# Altium PCB lyaptsev_control_board.PcbDoc (continued)
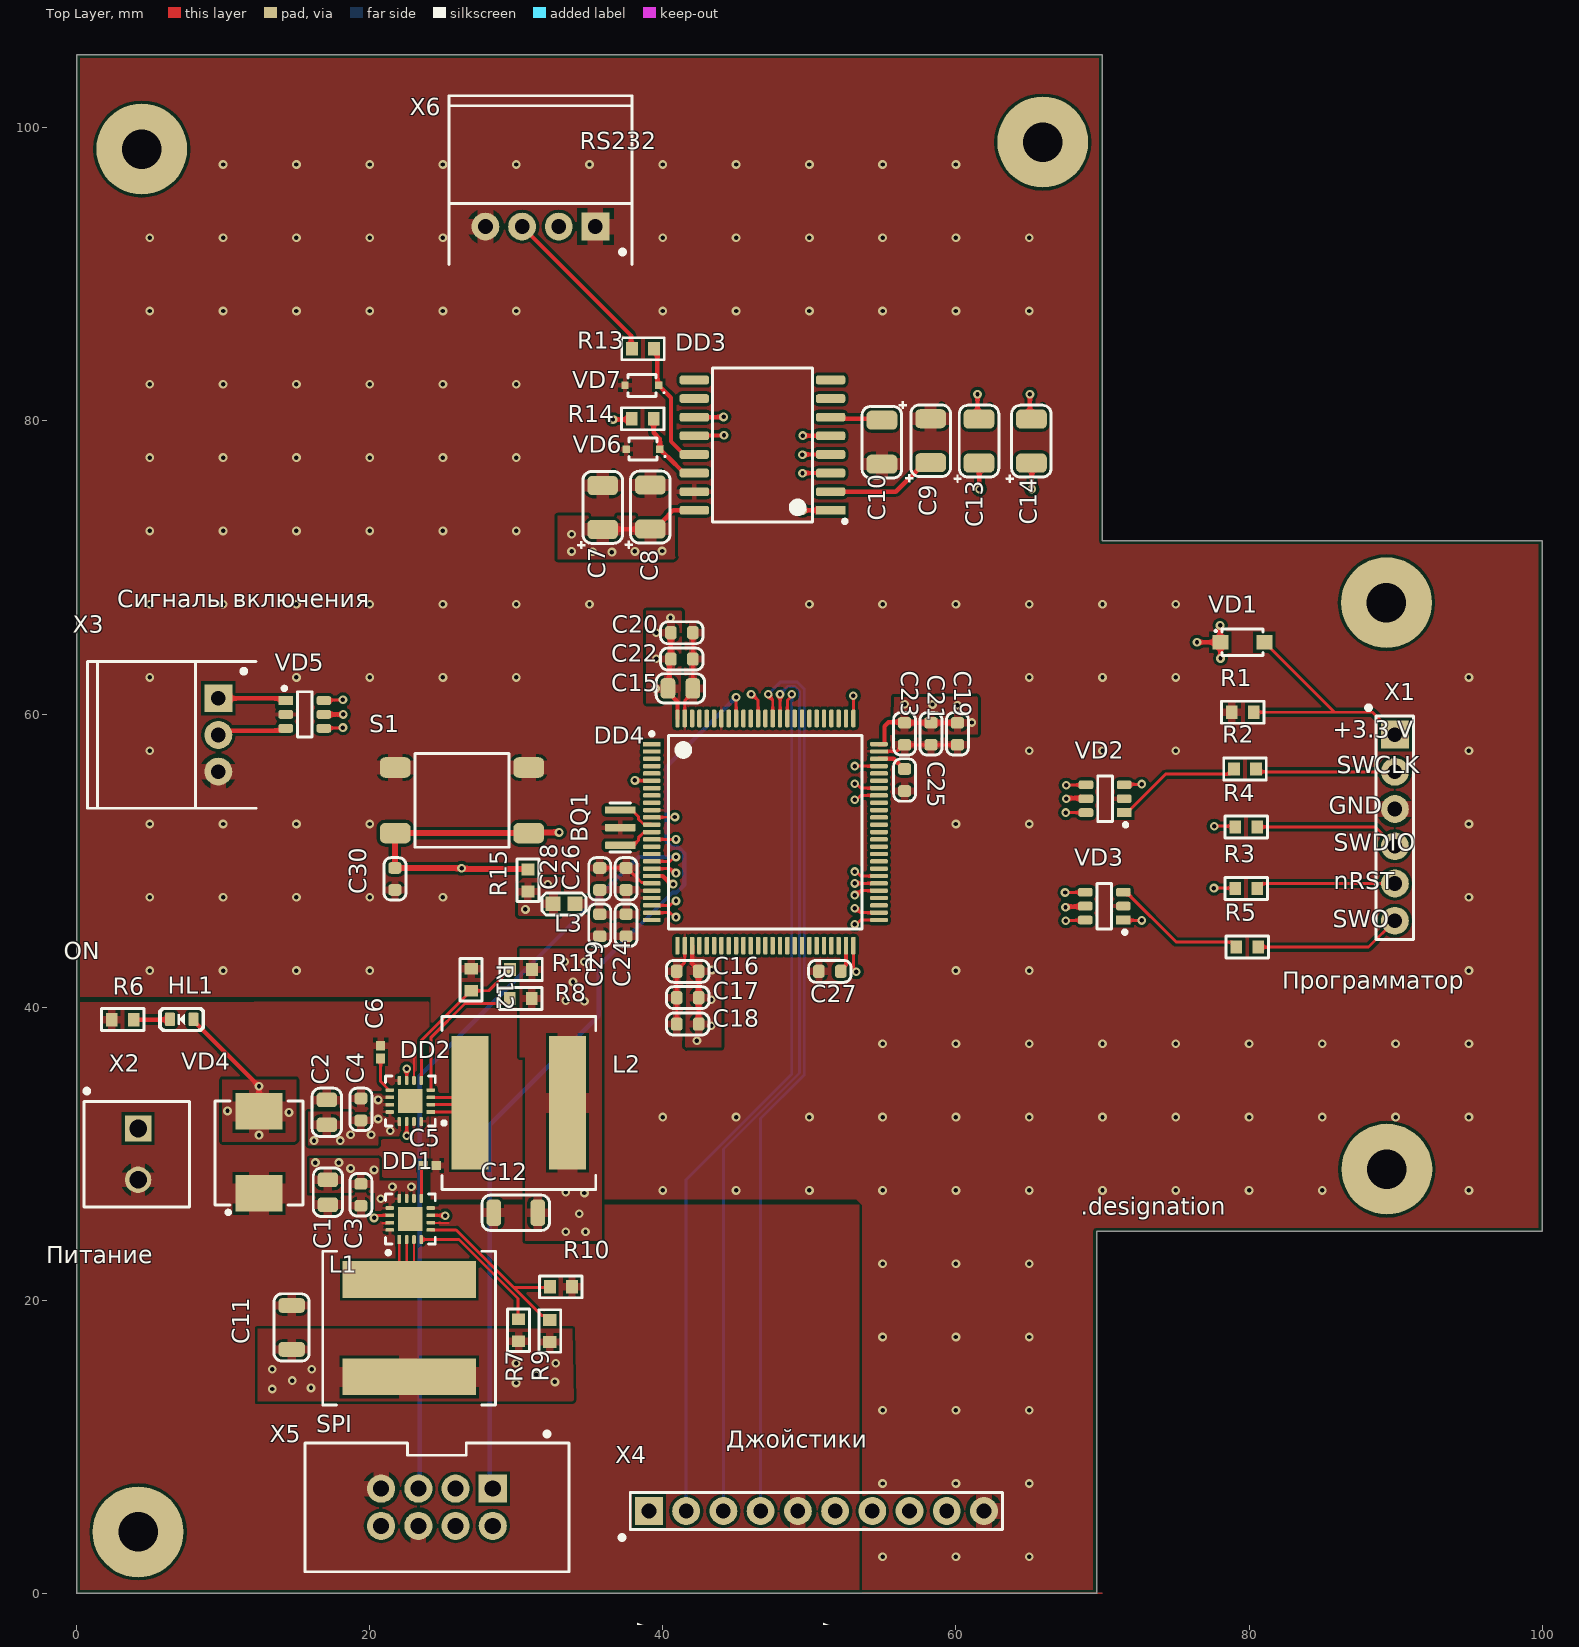
[diagram p0: Top Layer view]
## Part data (continued)
R1 R15: library part r0105, "=Описание", HelpURL=https://www.yageo.com/upload/media/product/productsearch/datasheet/rchip/PYu-RC_Group_51_RoHS_L_11.pdf, ID=r0105, Корпус=0603, Наименование=RC0603FR-0710KL, Номинал="10 к", Номинальное напряжение="75 В", Номинальный ток="1 А", Описание="Резистор чип 0603 10 кОм ±1 % 0,1 Вт", Отклонение="±1 %", Примечание="Ряд E24", Производитель="YAGEO Corp.", Рабочие температуры="от –55 °С до +155 °С", Фамилия=Самарин
R2 R3 R4 R5: library part r0034, "=Описание", HelpURL=https://www.yageo.com/upload/media/product/productsearch/datasheet/rchip/PYu-RC_Group_51_RoHS_L_11.pdf, ID=r0034, Корпус=0603, Наименование=RC0603FR-0722RL, Номинал=22, Номинальное напряжение="75 В", Номинальный ток="1 А", Описание="Резистор чип 0603 22 Ом ±1 % 0,1 Вт", Отклонение="±1 %", Примечание="Ряд E24", Производитель="YAGEO Corp.", Рабочие температуры="от –55 °С до +155 °С", Фамилия=Ларионов
R6: library part r0028, "=Описание", HelpURL=https://www.yageo.com/upload/media/product/productsearch/datasheet/rchip/PYu-RC_Group_51_RoHS_L_11.pdf, ID=r0028, Корпус=0603, Наименование=RC0603FR-07750RL, Номинал=750, Номинальное напряжение="75 В", Номинальный ток="1 А", Описание="Резистор чип 0603 750 Ом ±1 % 0,1 Вт", Отклонение="±1 %", Примечание="Ряд E24", Производитель="YAGEO Corp.", Рабочие температуры="от –55 °С до +155 °С", Фамилия=Паньков
R7 R8: library part r0141, "=Описание", HelpURL=https://www.yageo.com/upload/media/product/productsearch/datasheet/rchip/PYu-RC_Group_51_RoHS_L_11.pdf, ID=r0141, Корпус=0603, Наименование=RC0603FR-07100KL, Номинал="100 к", Номинальное напряжение="75 В", Номинальный ток="1 А", Описание="Резистор чип 0603 100 кОм ±1 % 0,1 Вт", Отклонение="±1 %", Примечание="Ряд E24", Производитель="YAGEO Corp.", Рабочие температуры="от –55 °С до +155 °С", Фамилия=Водорезов
R9: library part r0167, "=Описание", HelpURL=https://www.yageo.com/upload/media/product/productsearch/datasheet/rchip/PYu-RC_Group_51_RoHS_L_11.pdf, ID=r0167, Корпус=0603, Наименование=RC0603FR-07560KL, Номинал="560 к", Номинальное напряжение="75 В", Номинальный ток="1 А", Описание="Резистор чип 0603 560 кОм ±1 % 0,1 Вт", Отклонение="±1 %", Примечание="Ряд E24", Производитель="YAGEO Corp.", Рабочие температуры="от –55 °С до +155 °С", Фамилия=Паньков
R10 R12: library part r0152, "=Описание", HelpURL=https://www.yageo.com/upload/media/product/productsearch/datasheet/rchip/PYu-RC_Group_51_RoHS_L_11.pdf, ID=r0152, Корпус=0603, Наименование=RC0603FR-07180KL, Номинал="180 к", Номинальное напряжение="75 В", Номинальный ток="1 А", Описание="Резистор чип 0603 180 кОм ±1 % 0,1 Вт", Отклонение="±1 %", Примечание="Ряд E24", Производитель="YAGEO Corp.", Рабочие температуры="от –55 °С до +155 °С", Фамилия=Паньков
R11: library part r0172, "=Описание", HelpURL=https://www.yageo.com/upload/media/product/productsearch/datasheet/rchip/PYu-RC_Group_51_RoHS_L_11.pdf, ID=r0172, Корпус=0603, Наименование=RC0603FR-07910KL, Номинал="910 к", Номинальное напряжение="75 В", Номинальный ток="1 А", Описание="Резистор чип 0603 910 кОм ±1 % 0,1 Вт", Отклонение="±1 %", Примечание="Ряд E24", Производитель="YAGEO Corp.", Рабочие температуры="от –55 °С до +155 °С", Фамилия=Паньков
R13 R14: library part r0004, "=Описание", HelpURL=https://www.yageo.com/upload/media/product/productsearch/datasheet/rchip/PYu-RC_Group_51_RoHS_L_11.pdf, ID=r0004, Корпус=0603, Наименование=RC0603FR-0722RL, Номинал=22, Номинальное напряжение="75 В", Номинальный ток="1 А", Описание="Резистор чип 0603 22 Ом ±1 % 0,1 Вт", Отклонение="±1 %", Примечание="Ряд E24", Производитель="YAGEO Corp.", Рабочие температуры="от –55 °С до +155 °С", Фамилия=Ларионов
S1: library part s0001, "=Описание", HelpURL=https://www.te.com/usa-en/product-4-1437565-1.html, ID=s0001, Количество контактов=4, Корпус="6,00 x 6,00 x 4,98", Наименование=FSM4JSMA, Описание="Тактовая кнопка поверхностного монтажа", Производитель="TE Connectivity", Промывка=Запрещена, Рабочие температуры="от –35 °С до +85 °С", Сопротивление контакта="100 мОм", Ток нагрузки="50 мА @ 24 В", Фамилия=Паньков
VD1: library part vd0002, "=Описание", HelpURL=https://www.onsemi.com/products/discretes-drivers/diodes-rectifiers/schottky-diodes-schottky-rectifiers/mbr140sf, ID=vd0002, Корпус=SOD-123FL, Максимальное обратное напряжение="40 В", Максимальное прямое напряжение="0,88 В", Максимальный прямой ток="1 А", Наименование=MBR140SFT1G, Описание="Диод Шоттки 40 В 1 А", Производитель="ON Semiconductor", Рабочие температуры="от –55 °С до +125 °С", Фамилия=Паньков
VD2 VD3 VD5: library part vd0016, "=Описание", HelpURL=https://www.ti.com/product/TPD2S017, ID=vd0016, Корпус=SOT-23-6, Наименование=TPD2S017DBVR, Описание="Диодная сборка для подавления помех 5 В", Производитель="Texas Instruments Inc.", Фамилия=Паньков
VD4: library part vd0009, "=Описание", HelpURL=https://www.littelfuse.com/products/tvs-diodes/surface-mount/1_5smc.aspx, ID=vd0009, Корпус=DO-214AB, Наименование=1.5SMC62CA, Описание="Двунаправленная диодная сборка для подавления помех 53 В", Производитель="Littelfuse, Inc.", Фамилия=Ларионов
VD6 VD7: library part vd0004, "=Описание", HelpURL=https://www.littelfuse.com/products/tvs-diode-arrays/general-purpose-esd-protection/sdc/sd12c_01ftg.aspx, ID=vd0004, Корпус=SOD-323, Наименование=SD12C-01FTG, Описание="Двунаправленная диодная сборка для подавления помех 12 В", Производитель="Littelfuse, Inc.", Фамилия=Ларионов
X1: library part x0026, "=Описание", Contact_1=VDD, Contact_2=SWCLK, Contact_3=GND, Contact_4=SWDIO, Contact_5=nRST, Contact_6=SWO, HelpURL=http://en.connfly.group/product/xVkr=EusQssAN0gN=Aos=mU+UrVkR9kqEAN0gN9g+WqANB+A, ID=x0026, Наименование=DS1021-1x6SF11-B, Описание="PLS 6 pin 2,54 мм вилка прямой", Производитель="Connfly Electronic Co., Ltd.", Фамилия=Паньков
X2: library part x0008, "=Описание", Contact_1=+12V, Contact_2=GND, HelpURL=https://www.te.com/usa-en/product-1776275-2.html, ID=x0008, Наименование=1776275-2, Описание="Terminal Block 2 pin 3,5 мм", Производитель="TE Connectivity", Фамилия=Паньков
X3: library part x0039, "=Описание", Contact_1=nINT, Contact_2=nKILL, Contact_3=GND, HelpURL=http://en.connfly.group/product/xVkr=EusQssAN0gN=Aos=mU+UrVkR9kqEAN0gN0MUR+g+NB+A, ID=x0039, Наименование=DS1069-3MRW6XA, Описание="CWF 3 pin Type A 2,5 мм вилка угловой", Производитель="Connfly Electronic Co., Ltd.", Фамилия=Паньков
X4: library part x0035, "=Описание", Contact_1=+5V, Contact_2=A1, Contact_3=A2, Contact_4=D1, Contact_5=GND, Contact_6=+5V, Contact_7=A1, Contact_8=A2, Contact_9=D1, Contact_10=GND, HelpURL=http://en.connfly.group/product/xVkr=EusQssAN0gN=Aos=mU+UrVkR9kqEAN0gN0AUCUNB+A, ID=x0035, Наименование=DS1023-1x10SF11, Описание="PBS 10 pin 2,54 мм гнездо прямой", Производитель="Connfly Electronic Co., Ltd.", Фамилия=Паньков
X5: library part x0034, "=Описание", Contact_1=CE, Contact_2=NSS, Contact_3=SCK, Contact_4=MOSI, Contact_5=MISO, Contact_6=GND, Contact_7=GND, Contact_8=VOUT, HelpURL=http://en.connfly.group/product/xVkr=EusQssAN0gN=Aos=mU+UrVkR9kqEAN0gN9g+Upc+NB+A, ID=x0034, Наименование=DS1013-08SSIB1-B-0, Описание="Box Header 8 pin 2,54 мм вилка прямой", Производитель="Connfly Electronic Co., Ltd.", Фамилия=Самарин
X6: library part x0041, "=Описание", Contact_1=GND, Contact_2=TX, Contact_3=RX, Contact_4=GND, HelpURL=http://en.connfly.group/product/xVkr=EusQssAN0gN=Aos=mU+UrVkR9kqEAN0gN0MUR+g+NB+A, ID=x0041, Наименование=DS1069-4MRW6XA, Описание="CWF 4 pin Type A 2,5 мм вилка угловой", Производитель="Connfly Electronic Co., Ltd.", Фамилия=Паньков

## Free pads (board coordinates)
  round 6.2 hole 2.7: 2(4.2,4.2) 2(4.45,98.55) 2(65.925,99.025) 2(89.375,67.6) 2(89.4,28.95)

## Via types
v1: diameter 0.6, hole 0.3, Top Layer to Bottom Layer, tented both sides, 233 vias
v2: diameter 0.6, hole 0.3, Top Layer to Bottom Layer, 27 vias

## Nets (pads, with @x,y where several pads share a name; then routed paths per layer and width w, separated by ;. In a path a pad name is that pad's centre, name@x,y a point inside that pad or via, vN(x,y) a via of type N, cw(c..) or ccw(c..) an arc to the next point about the centre after c; other vN are vias at no path point)
"+5 В": C11.1 DD1.7 DD1.14 L1.2 R7.2 R9.2 X4.1 X4.6 X5.8 | length 2
  Top Layer w0.2: v1@20.425,25.8 DD1.14 ; DD1.7@24.195,25.78 DD1.7 v1@25.125,25.8 ; v1@25.145,25.78 v1@25.175,25.75
  other v1: 13.35,13.95 16,14.025 29.99,14.36 32.64,14.435 14.725,14.525 31.365,14.935 13.35,15.3 16.05,15.3 29.99,15.71 32.69,15.71 20.3,25.625 25.155,25.77
CONN_RS232_RXD: DD3.13 R13.2 VD7.1 | length 8.8
  Top Layer w0.3: R13.2 39.625,84.7 39.625,82.525 VD7.1 40.563,81.588 40.563,78.603 41.45,77.715 DD3.13
CONN_RS232_TXD: DD3.14 R14.2 VD6.1 | length 5.3
  Top Layer w0.3: R14.2 39.375,79.2 39.8,78.775 VD6.1 40.324,77.551 40.344,77.551 41.45,76.445 DD3.14
DC_nINT: VD5.1 X3.1 | length 4.7
  Top Layer w0.3: X3.1 14.125,61.075 VD5.1
DC_nKILL: VD5.3 X3.2 | length 4.8
  Top Layer w0.3: X3.2 9.975,58.875 14.125,58.875 VD5.3
GND: BQ1.2 C1.2 C2.2 C3.2 C4.2 C5.1 C6.1 C7.2 C8.2 C9.2 C10.2 C11.2 C12.2 C15.2 C16.2 C17.2 C18.2 C19.2 C20.2 C21.2 C22.2 C23.2 C24.2 C25.2 C26.2 C27.2 C28.2 C29.2 C30.2 DD1.6 DD1.8 DD1.15 DD1.16 DD2.6 DD2.8 DD2.15 DD2.16 DD3.15 DD4.10 DD4.20 DD4.27 DD4.74 DD4.94 DD4.99 R1.1 R6.1 R10.2 R12.2 S1.2 VD2.2 VD3.2 VD4.1 VD5.2 VD6.2 VD7.2 X1.3 X2.2 X3.3 X4.5 X4.10 X5.6 X5.7 X6.1 X6.4 | length 24.5
  Top Layer w0.15: 20.87,25.24 20.885,25.255 21.33,25.255 DD1.15 ; DD2.6 23.025,36.525 23.1,36.6 ; DD1.6 24.205,25.27 25.362,25.27
  Top Layer w0.2: C28.2 C26.2 37.55,49.5 38.55,48.5 39.2,48.5 DD4.20 ; C18.2 C17.2 C16.2 40.95,42.507 41.5,43.057 DD4.27 ; DD4.99 41.5,60.919 42.05,61.469 C15.2 C22.2 C20.2 ; DD4.74 55.946,57.45 56.396,57.9 C23.2 C21.2 C19.2
  other v1: 55,2.5 60,2.5 65,2.5 55,7.5 60,7.5 65,7.5 55,12.5 60,12.5 65,12.5 55,17.5 60,17.5 65,17.5 55,22.5 60,22.5 65,22.5 40,27.5 45,27.5 50,27.5 55,27.5 60,27.5 65,27.5 70,27.5 75,27.5 80,27.5 85,27.5 95,27.5 40,32.5 45,32.5 50,32.5 55,32.5 60,32.5 65,32.5 70,32.5 75,32.5 80,32.5 85,32.5 90,32.5 95,32.5 55,37.5 60,37.5 65,37.5 70,37.5 75,37.5 80,37.5 85,37.5 90,37.5 95,37.5 5,42.5 10,42.5 15,42.5 20,42.5 60,42.5 65,42.5 95,42.5 5,47.5 10,47.5 15,47.5 20,47.5 25,47.5 95,47.5 5,52.5 10,52.5 15,52.5 20,52.5 60,52.5 65,52.5 95,52.5 5,57.5 65,57.5 70,57.5 75,57.5 95,57.5 5,62.5 15,62.5 20,62.5 25,62.5 30,62.5 65,62.5 70,62.5 75,62.5 95,62.5 5,67.5 10,67.5 15,67.5 20,67.5 25,67.5 30,67.5 35,67.5 50,67.5 55,67.5 60,67.5 65,67.5 70,67.5 75,67.5 5,72.5 10,72.5 15,72.5 20,72.5 25,72.5 30,72.5 5,77.5 10,77.5 15,77.5 20,77.5 25,77.5 30,77.5 5,82.5 10,82.5 15,82.5 20,82.5 25,82.5 30,82.5 5,87.5 10,87.5 15,87.5 20,87.5 25,87.5 30,87.5 40,87.5 45,87.5 50,87.5 55,87.5 60,87.5 65,87.5 5,92.5 10,92.5 15,92.5 20,92.5 25,92.5 40,92.5 45,92.5 50,92.5 55,92.5 60,92.5 65,92.5 10,97.5 15,97.5 20,97.5 25,97.5 30,97.5 35,97.5 40,97.5 45,97.5 50,97.5 55,97.5 60,97.5
MCU_GPIO_SPI: DD4.92 X5.1 | length 63.9
  Top Layer w0.2: DD4.92 v1(45,61.15)
  Bottom Layer w0.3: X5.1 28.2,7.35 28.2,31.975 35.637,39.412 35.637,42.8 40.662,47.825 40.938,47.825 41.475,48.362 41.475,50.488 41.088,50.875 40.662,50.875 40.25,51.287 40.25,56.4 v1(45,61.15)
MCU_J1_A1: DD4.85 X4.2 | length 60.4
  Top Layer w0.2: DD4.85 48.5,60.942 v1@48.8,61.242
  Bottom Layer w0.2: X4.2 41.595,28.245 48.8,35.45 v1(48.8,61.35)
MCU_J1_A2: DD4.86 X4.3 | length 61.4
  Top Layer w0.2: DD4.86 v1(48,61.35)
  Bottom Layer w0.2: X4.3 44.135,30.326 49.325,35.516 49.325,61.567 49.017,61.875 48.525,61.875 v1(48,61.35)
MCU_J1_D1: DD4.87 X4.4 | length 62
  Top Layer w0.2: v1@47.2,61.242 47.5,60.942 DD4.87
  Bottom Layer w0.2: X4.4 46.675,32.406 49.65,35.381 49.65,61.702 49.152,62.2 48.05,62.2 v1(47.2,61.35)
MCU_J2_A1: DD4.55 X4.7 | length 46
  Top Layer w0.2: v1@53.208,47.65 53.508,47.95 DD4.55
  Signal Layer 1 w0.2: v1(53.1,47.65) 56.51,44.24 56.51,7.84 X4.7
MCU_J2_A2: DD4.56 X4.8 | length 46
  Top Layer w0.2: v1(53.1,48.45) DD4.56
  Signal Layer 1 w0.2: v1(53.1,48.45) 56.835,44.715 X4.8
MCU_J2_D1: DD4.57 X4.9 | length 47.9
  Top Layer w0.2: v1@53.208,49.25 53.508,48.95 DD4.57
  Signal Layer 1 w0.2: v1(53.1,49.25) 57.16,45.19 57.16,7.84 X4.9
MCU_nINT: DD4.23 VD5.6 | length 32
  Top Layer w0.2: VD5.6 16.9,60.95 18.15,60.95 v1(18.175,60.975) ; DD4.23 40.492,46.95 v1@40.792,47.25
  Signal Layer 1 w0.2: v1(18.175,60.975) 32.6,46.55 40.2,46.55 v1(40.9,47.25)
MCU_nKILL: DD4.24 VD5.4 | length 31.1
  Top Layer w0.2: VD5.4 16.9,59.05 18.15,59.05 v1(18.175,59.075) ; DD4.24 40.492,46.45 v1@40.792,46.15
  Signal Layer 1 w0.2: v1(18.175,59.075) 19.615,59.075 32.54,46.15 v1(40.9,46.15)
MCU_nRST: C30.1 DD4.14 R15.1 S1.1 VD3.6 | length 62.8
  Top Layer w0.2: DD4.14 v1(40.9,51.45) ; v2(67.5,45.9) 67.525,45.925 68.8,45.925 VD3.6
  Top Layer w0.4: v1@26.25,49.5 26.263,49.487 21.738,49.487 C30.1 21.725,51.85 21.75,51.875 S1.1@30.75,51.875 ; v1(26.275,49.475) 26.313,49.437 R15.1@30.763,49.437 ; R15.1@30.75,49.45 R15.1@30.763,49.437 ; R15.1 R15.1@30.763,49.437 ; S1.1@30.8,51.825 30.85,51.875 30.9,51.925 v2(32.925,51.925)
  Signal Layer 1 w0.2: v1(40.9,51.45) 51.642,51.45 57.192,45.9 v2(67.5,45.9)
  Signal Layer 1 w0.4: v2(32.925,51.925) 40.371,51.925 40.846,51.45 v1(40.9,51.45)
MCU_SPI1_MISO: DD4.17 X5.5 | length 53.5
  Top Layer w0.2: DD4.17 40.492,49.95 v1@40.792,50.25
  Bottom Layer w0.3: X5.5 23.425,7.255 23.425,35.325 38.35,50.25 v1(40.9,50.25)
MCU_SPI1_MOSI: DD4.18 X5.4 | length 53.9
  Top Layer w0.2: DD4.18 40.492,49.45 v1@40.792,49.15
  Signal Layer 1 w0.3: X5.4 25.35,5.12 25.35,5.913 24.625,6.638 24.625,7.662 25.35,8.387 25.35,24.201 41.475,40.326 41.475,48.575 v1(40.9,49.15)
MCU_SPI1_NSS: DD4.51 X5.2 | length 59.2
  Top Layer w0.2: v1@53.208,45.65 53.508,45.95 DD4.51
  Signal Layer 1 w0.3: X5.2 27.165,5.845 27.165,7.592 26.285,8.472 26.285,23.934 42.325,39.974 42.325,42.499 45.476,45.65 v1(53.1,45.65)
MCU_SPI1_SCK: DD4.52 X5.3 | length 56.7
  Top Layer w0.2: v1@53.208,46.75 53.508,46.45 DD4.52
  Signal Layer 1 w0.3: X5.3 25.86,24.11 41.9,40.15 41.9,42.675 45.3,46.075 52.425,46.075 v1(53.1,46.75)
MCU_SWCLK: DD4.76 VD2.6 | length 22.7
  Top Layer w0.2: DD4.76 v1(53,61.25) ; v2(67.5,53.275) VD2.6
  Signal Layer 1 w0.2: v1(53,61.25) 57.475,56.775 66.642,56.775 68.05,55.367 68.05,53.825 v2(67.5,53.275)
MCU_SWDIO: DD4.72 VD2.4 | length 18
  Top Layer w0.2: v1(53.1,56.45) DD4.72 ; v2(67.525,55.15) 67.538,55.162 68.863,55.162 VD2.4
  Signal Layer 1 w0.2: v1(53.1,56.45) 66.225,56.45 v2(67.525,55.15)
MCU_SWO: DD4.89 VD3.4 | length 30.6
  Top Layer w0.2: v1@46.2,61.242 46.5,60.942 DD4.89 ; v2(67.45,47.825) 67.463,47.837 68.813,47.837 VD3.4
  Signal Layer 1 w0.2: v1(46.027,61.353) 46.027,60.48 58.683,47.825 v2(67.45,47.825)
MCU_USART1_RX: DD3.12 DD4.69 | length 31.5
  Top Layer w0.2: v1@53.208,55.25 53.508,54.95 DD4.69
  Top Layer w0.3: DD3.12 42.17,79.005 44.155,79.005 v2(44.175,79.025)
  Signal Layer 1 w0.3: v2(44.175,79.025) 44.175,64.018 46.602,61.591 46.602,61.135 52.429,55.307 53.043,55.307 v1(53.1,55.25)
MCU_USART1_TX: DD3.11 DD4.68 | length 34.4
  Top Layer w0.2: v1(53.1,54.15) 53.208,54.15 53.508,54.45 DD4.68
  Top Layer w0.3: DD3.11 42.16,80.265 44.14,80.265 v2(44.15,80.275)
  Signal Layer 1 w0.2: v2(44.15,80.275) 44.7,79.725 44.7,66.5 49.325,61.875 49.325,59.15 52.55,55.925 53.167,55.925 53.625,55.467 53.625,54.675 v1(53.1,54.15)
NetBQ1_1: BQ1.1 DD4.12 | length 2.7
  Top Layer w0.2: BQ1.1 37.9,53.45 38.333,53.017 38.333,52.843 38.676,52.5 39.2,52.5 DD4.12
NetBQ1_3: BQ1.3 DD4.13 | length 1.3
  Top Layer w0.2: BQ1.3@37.9,50.95 38.333,51.383 38.333,51.557 DD4.13@38.676,51.9
NetC5_2: C5.2 DD1.9 | length 2.3
  Top Layer w0.2: DD1.9 23.525,29.065 C5.2
NetC6_2: C6.2 DD2.9 | length 2.4
  Top Layer w0.2: C6.2 20.75,34.925 DD2.9@21.35,34.325
NetC9_1: C9.1 DD3.2 | length 7.6
  Top Layer w0.3: DD3.2 55.9,75.175 57.875,77.15 C9.1
NetC10_1: C10.1 DD3.6 | length 3.6
  Top Layer w0.3: DD3.6 51.553,80.152 54.848,80.152 C10.1
NetC13_1: C13.1 DD3.4 | length 16.8
  Top Layer w0.3: v2(49.525,77.7) 49.533,77.708 51.443,77.708 DD3.4 ; C13.1 61.6,77.1 v2(61.6,75.35)
  Signal Layer 1 w0.3: v2(49.525,77.7) 59.25,77.7 v2(61.6,75.35)
NetC13_2: C13.2 DD3.5 | length 16.7
  Top Layer w0.3: v2(49.55,79) 49.558,78.992 51.443,78.992 DD3.5 ; v2(61.475,81.825) 61.475,80.225 C13.2
  Signal Layer 1 w0.3: v2(49.55,79) 58.65,79 v2(61.475,81.825)
NetC14_1: C14.1 DD3.1 | length 19.9
  Top Layer w0.3: v2@49.54,73.905 DD3.1 ; v2(65.175,75.35) C14.1@65.175,77.1
  Signal Layer 1 w0.3: v2(49.533,73.898) 60.961,73.898 62.413,75.35 v2(65.175,75.35)
NetC14_2: C14.2 DD3.3 | length 25.4
  Top Layer w0.3: v2@49.54,76.445 DD3.3 ; C14.2@65.05,80.225 v2(65.05,81.825)
  Signal Layer 1 w0.3: v2(49.533,76.438) 48.724,77.246 48.724,80.774 50.35,82.4 62.815,82.4 63.39,81.825 v2(65.05,81.825)
NetC24_1: C24.1 C26.1 C28.1 C29.1 DD4.21 DD4.22 L3.1 | length 0.1
  Top Layer w0.3: C24.1 C24.1@37.55,46.35 ; C26.1 C26.1@37.55,47.95
NetC25_1: C25.1 DD4.73 | length 2
  Top Layer w0.3: DD4.73 55.75,56.95 56.45,56.25 C25.1
NetC27_1: C27.1 DD4.49 | length 1.9
  Top Layer w0.3: C27.1 52.15,42.527 52.5,42.877 DD4.49
NetDD1_1: DD1.1 DD1.2 DD1.3 L1.1 | length 8.4
  Top Layer w0.15: DD1.1 22.025,22.1 L1.1@22.525,21.6 ; DD1.2 L1.1@22.525,21.6 ; DD1.3 23.025,21.75 L1.1 L1.1@22.525,21.6
NetDD1_4: DD1.4 R7.1 | length 9.7
  Top Layer w0.2: DD1.4 26.093,24.15 30.115,20.128 30.115,18.71 R7.1
NetDD1_5: DD1.5 R9.1 R10.1 | length 13.1
  Top Layer w0.2: DD1.5 25.903,24.8 31.743,18.96 31.94,18.96 32.24,18.66 R9.1 ; 29.85,20.862 32.237,20.862 R10.1
NetDD2_1: DD2.1 DD2.2 DD2.3 L2.1 | length 8.3
  Top Layer w0.2: DD2.1 26.225,32.85 26.725,33.35 DD2.2 ; DD2.3 26.475,33.85 L2.1
  Top Layer w1: L2.1@26.725,33.35 L2.1
NetDD2_4: DD2.4 R8.1 | length 10.1
  Top Layer w0.2: DD2.4 24.175,37.915 26.51,40.25 29.25,40.25 29.55,40.55 R8.1
NetDD2_5: DD2.5 R11.2 R12.1 | length 10.8
  Top Layer w0.2: DD2.5 23.525,37.725 26.575,40.775 26.575,40.825 26.875,41.125 R12.1 28.125,41.125 29.225,42.225 29.275,42.225 29.575,42.525 R11.2
NetHL1_1: HL1.1 R6.2 | length 2.5
  Top Layer w0.3: R6.2 HL1.1@6.35,39.15
  Top Layer w0.4: HL1.1@6.35,39.15 HL1.1
NetR1_2: R1.2 VD1.2 X1.1 | length 17
  Top Layer w0.2: R1.2 85.825,60.125 ; VD1.2 85.825,60.125 ; X1.1 88.425,60.125 85.825,60.125
NetR2_1: R2.1 X1.2 | length 9.6
  Top Layer w0.2: R2.1 80.665,56.06 X1.2
NetR2_2: R2.2 VD2.1 | length 8.8
  Top Layer w0.2: VD2.1 71.675,53.275 74.3,55.9 78.675,55.9 78.975,56.2 R2.2
NetR3_1: R3.1 X1.5 | length 9.6
  Top Layer w0.2: R3.1 80.55,48.14 80.85,48.44 X1.5
NetR3_2: R3.2 VD3.1 | length 8.6
  Top Layer w0.2: VD3.1 71.45,45.925 v2(72.675,45.925) ; v2(77.6,48.125) 79.025,48.125 R3.2
  Signal Layer 1 w0.2: v2(72.675,45.925) 75.4,45.925 v2(77.6,48.125)
NetR4_1: R4.1 X1.4 | length 9.9
  Top Layer w0.2: R4.1 88.63,52.3 X1.4
NetR4_2: R4.2 VD2.3 | length 8.8
  Top Layer w0.2: VD2.3 71.5,55.2 72.65,55.2 v2(72.675,55.225) ; v2(77.625,52.35) 79,52.35 R4.2
  Signal Layer 1 w0.2: v2(72.675,55.225) 75.55,52.35 v2(77.625,52.35)
NetR5_1: R5.1 X1.6 | length 10.1
  Top Layer w0.2: R5.1 88.15,44.1 X1.6
NetR5_2: R5.2 VD3.3 | length 9.3
  Top Layer w0.2: VD3.3 71.625,47.85 75.025,44.45 78.825,44.45 79.125,44.15 R5.2
NetR13_1: R13.1 X6.3 | length 11.4
  Top Layer w0.3: X6.3 37.836,85.825 37.836,84.989 R13.1
NetR14_1: R14.1 X6.2 | length 16
  Top Layer w0.3: v2(36.6,80.1) 37.825,80.1 R14.1
  Signal Layer 1 w0.3: X6.2 36.6,89.561 v2(36.6,80.1)
VDD: C7.1 C8.1 C12.1 C15.1 C16.1 C17.1 C18.1 C19.1 C20.1 C21.1 C22.1 C23.1 DD2.7 DD2.14 DD3.16 DD4.6 DD4.11 DD4.19 DD4.28 DD4.50 DD4.75 DD4.100 L2.2 L3.2 R8.2 R11.1 R15.2 VD1.1 VD2.5 VD3.5 VD5.5 | length 41.2
  Top Layer w0.2: v1(22.525,31.225) DD2.14 ; DD2.7 v1(22.525,35.8) ; v1(38.1,55.475) 38.113,55.463 39.238,55.463 DD4.6 ; DD4.11 39.263,52.963 40.813,52.963 v1(40.825,52.975) ; DD4.50 53,42.733 53.2,42.533 v1(53.2,42.425)
  Top Layer w0.3: VD5.5 v2(18.2,59.975) ; C7.1 35.913,72.613 39.138,72.613 C8.1 39.455,72.625 40.366,73.536 40.366,73.571 40.7,73.905 DD3.16 ; DD4.19 40,48.95 40.49,48.46 40.645,48.46 v2(40.702,48.402) ; C20.1 C22.1 40.45,63.65 40.45,61.85 C15.1 40.35,61.496 41,60.846 DD4.100 ; DD4.28 42,42.977 42.45,42.527 C16.1 C17.1 C18.1 ; DD4.75 55.125,57.95 55.125,59.175 55.4,59.45 56.45,59.45 C23.1 C21.1 C19.1 ; v2(67.475,46.825) 67.513,46.862 68.788,46.862 VD3.5 ; v2(67.525,54.225) 67.563,54.263 VD2.5@68.838,54.263 ; v2(76.45,64.9) VD1.1 ; v2(78.025,66.05) 78.025,64.925 VD1.1 ; v2(78.05,63.8) VD1.1
  other v1: 33.375,24.675 34.725,24.675 34.302,25.901 34.65,27.325 33.375,27.375 42.325,37.714 43.3,38.739 34.65,40.4 33.375,40.45 43.3,40.514 33.875,41.725 43.35,42.539 33.3,43.1 34.65,43.1 30.625,46.675 32.156,48.394 61.075,59.425 60.1,60.6 58.4,60.65 56.5,60.675 39.5,61.75 39.55,63.775 39.55,65.55 40.525,66.575 36.525,71.05 35.2,71.075 33.775,71.1 38.1,71.1 39.95,71.125 33.775,72.275
VIN: C1.1 C2.1 C3.1 C4.1 DD1.10 DD1.11 DD1.12 DD1.13 DD2.10 DD2.11 DD2.12 DD2.13 HL1.2 VD4.2 X2.1 | length 8.1
  Top Layer w0.2: HL1.2@7.975,39.075 HL1.2
  Top Layer w0.3: HL1.2@7.975,39.075 v1(12.45,34.6) VD4.2
  other v1: 20.75,26.925 21.55,27.75 22.85,27.75 20.3,28.9 18.7,29 16.3,29.4 17.9,29.4 16.2,30.9 18,30.9 12.45,31.275 18.7,31.3 20.1,31.3 21.4,31.575 20.575,32.375 14.5,32.825 10.3,32.925 20.575,33.675
pads on no net: DD1.0 DD2.0 DD3.7 DD3.8 DD3.9 DD3.10 DD4.1 DD4.2 DD4.3 DD4.4 DD4.5 DD4.7 DD4.8 DD4.9 DD4.15 DD4.16 DD4.25 DD4.26 DD4.29 DD4.30 DD4.31 DD4.32 DD4.33 DD4.34 DD4.35 DD4.36 DD4.37 DD4.38 DD4.39 DD4.40 DD4.41 DD4.42 DD4.43 DD4.44 DD4.45 DD4.46 DD4.47 DD4.48 DD4.53 DD4.54 DD4.58 DD4.59 DD4.60 DD4.61 DD4.62 DD4.63 DD4.64 DD4.65 DD4.66 DD4.67 DD4.70 DD4.71 DD4.77 DD4.78 DD4.79 DD4.80 DD4.81 DD4.82 DD4.83 DD4.84 DD4.88 DD4.90 DD4.91 DD4.93 DD4.95 DD4.96 DD4.97 DD4.98

## Polygon pours and split planes (outlines as drawn)
GND on Top Layer "Top Layer-GND" (solid, pour order 218): 0.115,40.354 24.05,40.408 24.05,26.525 53.4,26.525 53.4,0 0,0
VIN on Top Layer "Top Layer-VIN 3" (solid, pour order 216): 15.9,29.683 15.9,27.325 18.425,27.325 20.65,27.325 20.672,29.708
VIN on Top Layer "Top Layer-VIN 3" (solid, pour order 56): 15.825,30.568 15.825,32.875 18.35,32.875 20.575,32.875 20.596,30.543
GND on Top Layer (solid, pour order 212): 53.6,0 69.6,0 69.595,24.7 100,24.7 100,71.825 70,71.825 70,105 0,105 0,40.7 24.175,40.7 24.175,39.025 24.175,26.9 53.2,26.9 53.6,26.5
no net on Top Layer (solid, pour order 210): 53.6,0 70,0
VIN on Top Layer "Top Layer-VIN" (solid, pour order 182): 14.975,30.825 9.95,30.825 9.95,35.05 14.975,35.05 14.975,34.3
VDD on Top Layer "Top Layer-VDD 3" (solid, pour order 98): 41.65,43.539 43.975,43.539 43.975,43.414 43.975,37.251 41.538,37.226
VDD on Top Layer "Top Layer-VDD" (solid, pour order 90): 30.6,24.06 30.6,26.65 30.6,36.6 30.25,36.6 30.25,43.975 35.825,43.975 35.825,24.04
"+5 В" on Top Layer "Top Layer-+5 В" (solid, pour order 82): 33.837,18.05 12.35,18.05 12.35,13.1 33.914,13.1
VIN on Top Layer "Top Layer-VIN 1" (solid, pour order 62): 22.275,32.625 22.275,31.2 20.175,31.2 20.175,34.1 21.8,34.1 21.8,32.625
VIN on Top Layer "Top Layer-VIN 2" (solid, pour order 60): 21.8,26.05 20.375,26.05 20.375,28.15 23.275,28.15 23.275,26.525 21.8,26.525
no net on Top Layer "Top Layer-No Net 3" (solid, pour order 194): -0.05,-0.025
VDD on Top Layer "Top Layer-VDD 1" (solid, pour order 122): 30.15,48.5 30.5,48.85 33.05,48.85 33.05,46.473 33.163,46.36 33.028,46.225 30.125,46.225
no net on Top Layer "Top Layer-No Net" (solid, pour order 110): 0,24.15
VDD on Top Layer "Top Layer-VDD 2" (solid, pour order 102): 32.825,73.525 40.8,73.525 40.8,70.775 40.875,70.7 40.75,70.575 32.825,70.575
VDD on Top Layer "Top Layer-VDD 4" (solid, pour order 96): 41.2,60.75 38.875,60.75 38.875,60.875 38.875,67.038 41.312,67.063
VDD on Top Layer "Top Layer-VDD 5" (solid, pour order 94): 55.75,58.65 55.775,58.625 61.475,58.625 61.475,61.203 55.781,61.15
no net on Top Layer "Top Layer-No Net 1" (solid, pour order 12): 4.35,56.2
no net on Top Layer "Top Layer-No Net 2" (solid, pour order 6): 13.175,56.8
NetC24_1 on Top Layer "Top Layer-NetC24_1" (solid, pour order 4): 33.3,47.55 33.3,46.55 35.1,46.55 35.1,45.95 38.4,45.95 38.6,47.25 39.9,47.25 39.9,48.15 38.6,48.15 37.8,48.55 35.2,48.55 35.1,47.55
GND on Signal Layer 1 "Top Layer-No Net2" (solid, pour order 197): 0,0 0,105 70,105 70,71.825 100,71.825 100,24.7 69.595,24.7 70,0
VIN on Signal Layer 1 "Signal Layer 1-VIN" (solid, pour order 52): -0.25,26.415 -0.25,35.15 23.55,35.15 23.55,26.185
GND on Signal Layer 2 "Top Layer-No Net3" (solid, pour order 198): 0,0 0,105 70,105 70,71.825 100,71.825 100,24.7 69.595,24.7 70,0
"+5 В" on Signal Layer 2 "Signal Layer 2-+5 В 2" (solid, pour order 104): 31.9,0.255 31.2,0.275 53.35,0.275 53.35,9.925 31.575,9.925
"+5 В" on Signal Layer 2 "Signal Layer 2-+5 В 3" (solid, pour order 164): 15.865,11.965 15.74,12.09 11.465,12.09 11.465,17.54 11.265,17.74 12.015,18.49 17.365,18.49
"+5 В" on Signal Layer 2 "Signal Layer 2-+5 В 4" (solid, pour order 158): 30.225,12.375 30.35,12.5 34.625,12.5 34.625,17.95 34.825,18.15 34.075,18.9 28.725,18.9
"+5 В" on Signal Layer 2 "Signal Layer 2-+5 В" (solid, pour order 84): 15.35,-0.095 15.35,25.75 15.325,25.775 15.35,25.8 32,25.8 32,-0.196
VDD on Signal Layer 2 "Signal Layer 2-VDD" (solid, pour order 88): 22.2,26.37 22.2,73.175 71.475,73.175 71.475,26.37
VDD on Signal Layer 2 "Signal Layer 2-VDD 3" (solid, pour order 142): 32.475,28.05 32.7,27.825 32.7,23 36.85,23 36.875,23.025 36.825,23.075 36.825,28.625
VDD on Signal Layer 2 "Signal Layer 2-VDD 1" (solid, pour order 128): 70.225,61.75 70.475,61.5 80.775,61.5 80.775,69.2 79.825,70.15 68.725,70.15
VDD on Signal Layer 2 "Signal Layer 2-VDD 2" (solid, pour order 100): 22.575,58.675 17.6,58.675 17.6,61.275 17.675,61.35 22.575,61.35
no net on Signal Layer 2 "Signal Layer 2-No Net" (solid, pour order 86): 30.65,56.775
"+5 В" on Signal Layer 2 "Signal Layer 2-+5 В 1" (solid, pour order 70): 21.9,26.2 21.875,26.175 21.875,24.675 23.65,24.675 23.75,24.775 23.75,26.175 24.95,26.175 25.15,25.975 25.15,23.475 20.225,23.475 20.15,23.55 20.15,26.248
no net on Signal Layer 2 "Signal Layer 2-No Net 1" (solid, pour order 66): 23.45,53.25
no net on Signal Layer 2 "Signal Layer 2-No Net 2" (solid, pour order 64): 23.425,56.05
no net on Top Solder (solid): 24.2,28.05 25.85,28.05 25.85,28.8 24.2,28.8
no net on Top Solder (solid): 53.25,59.05 53.25,60.35 40.8,60.35 40.8,59.05
no net on Top Solder (solid): 54.1,45.7 55.4,45.7 55.4,58.15 54.1,58.15
no net on Top Solder (solid): 53.25,43.55 53.25,44.85 40.8,44.85 40.8,43.55
no net on Top Solder (solid): 38.6,45.7 39.9,45.7 39.9,58.15 38.6,58.15
GND on Bottom Layer "Top Layer-No Net4" (solid, pour order 199): 0,0 0,105 70,105 70,71.825 100,71.825 100,24.7 69.595,24.7 70,0
GND on Bottom Layer "Bottom Layer-GND 1" (solid, pour order 152): 1.875,22.505 0.1,24.28 0.1,30.125 7.55,30.125 8.025,29.65 8.025,22.425

## Other copper
Top Layer:
  region: 7.1,43.85
  pour cut-out: 40.95,48.225 41.26,47.844 41.26,47.61

## Silkscreen, mask and mechanical layers (free items; w line width, h text height)
Top Overlay:
  text "RS232" at 34.35,98.125 h2
  text "Сигналы включения" at 2.775,66.875 h2
  text "+3.3 V" at 85.725,57.975 h2
  text "SWCLK" at 86,55.55 h2
  text "GND" at 85.45,52.8 h2
  text "SWDIO" at 85.775,50.25 h2
  text "nRST" at 85.775,47.65 h2
  text "SWO" at 85.7,45.05 h2
  text "ON" at -0.875,42.875 h2
  text "Программатор" at 82.25,40.85 h2
  text ".designation" at 68.525,25.425 h2
  text "Питание" at -2.05,22.125 h2
  text "SPI" at 16.35,10.575 h2
  text "Джойстики" at 44.325,9.525 h2
  text "+5 V" at 39.825,-5.95 h2 r90
  text "A1" at 42.275,-5.95 h2 r90
  text "A2" at 44.925,-5.95 h2 r90
  text "D1" at 47.625,-5.95 h2 r90
  text "GND" at 50.175,-5.95 h2 r90
  text "+5 V" at 52.525,-5.95 h2 r90
  text "A1" at 54.975,-5.95 h2 r90
  text "A2" at 57.625,-5.95 h2 r90
  text "D1" at 60.325,-5.95 h2 r90
  text "GND" at 62.875,-5.95 h2 r90
Bottom Overlay:
  text ".pcb_dec_number" at 84.725,25.425 h2
Board:
  lines w0.1: 0,0 69.595,0 69.595,24.7 98.775,24.7 100,24.7 100,71.825 70,71.825 70,105 0,105 0,0
Assembly Notes (Mech5):
  text "'.title'" at -0.4,-2.5 h2
  text "'.project'_'.pcb_dec_number'['.Pcb_File_Name_No_Path']" at -0.4,-5 h2